# Altium PCB FMC_DAC_125M_14B_16CHA.PcbDoc (part 3 of 9) (continued)
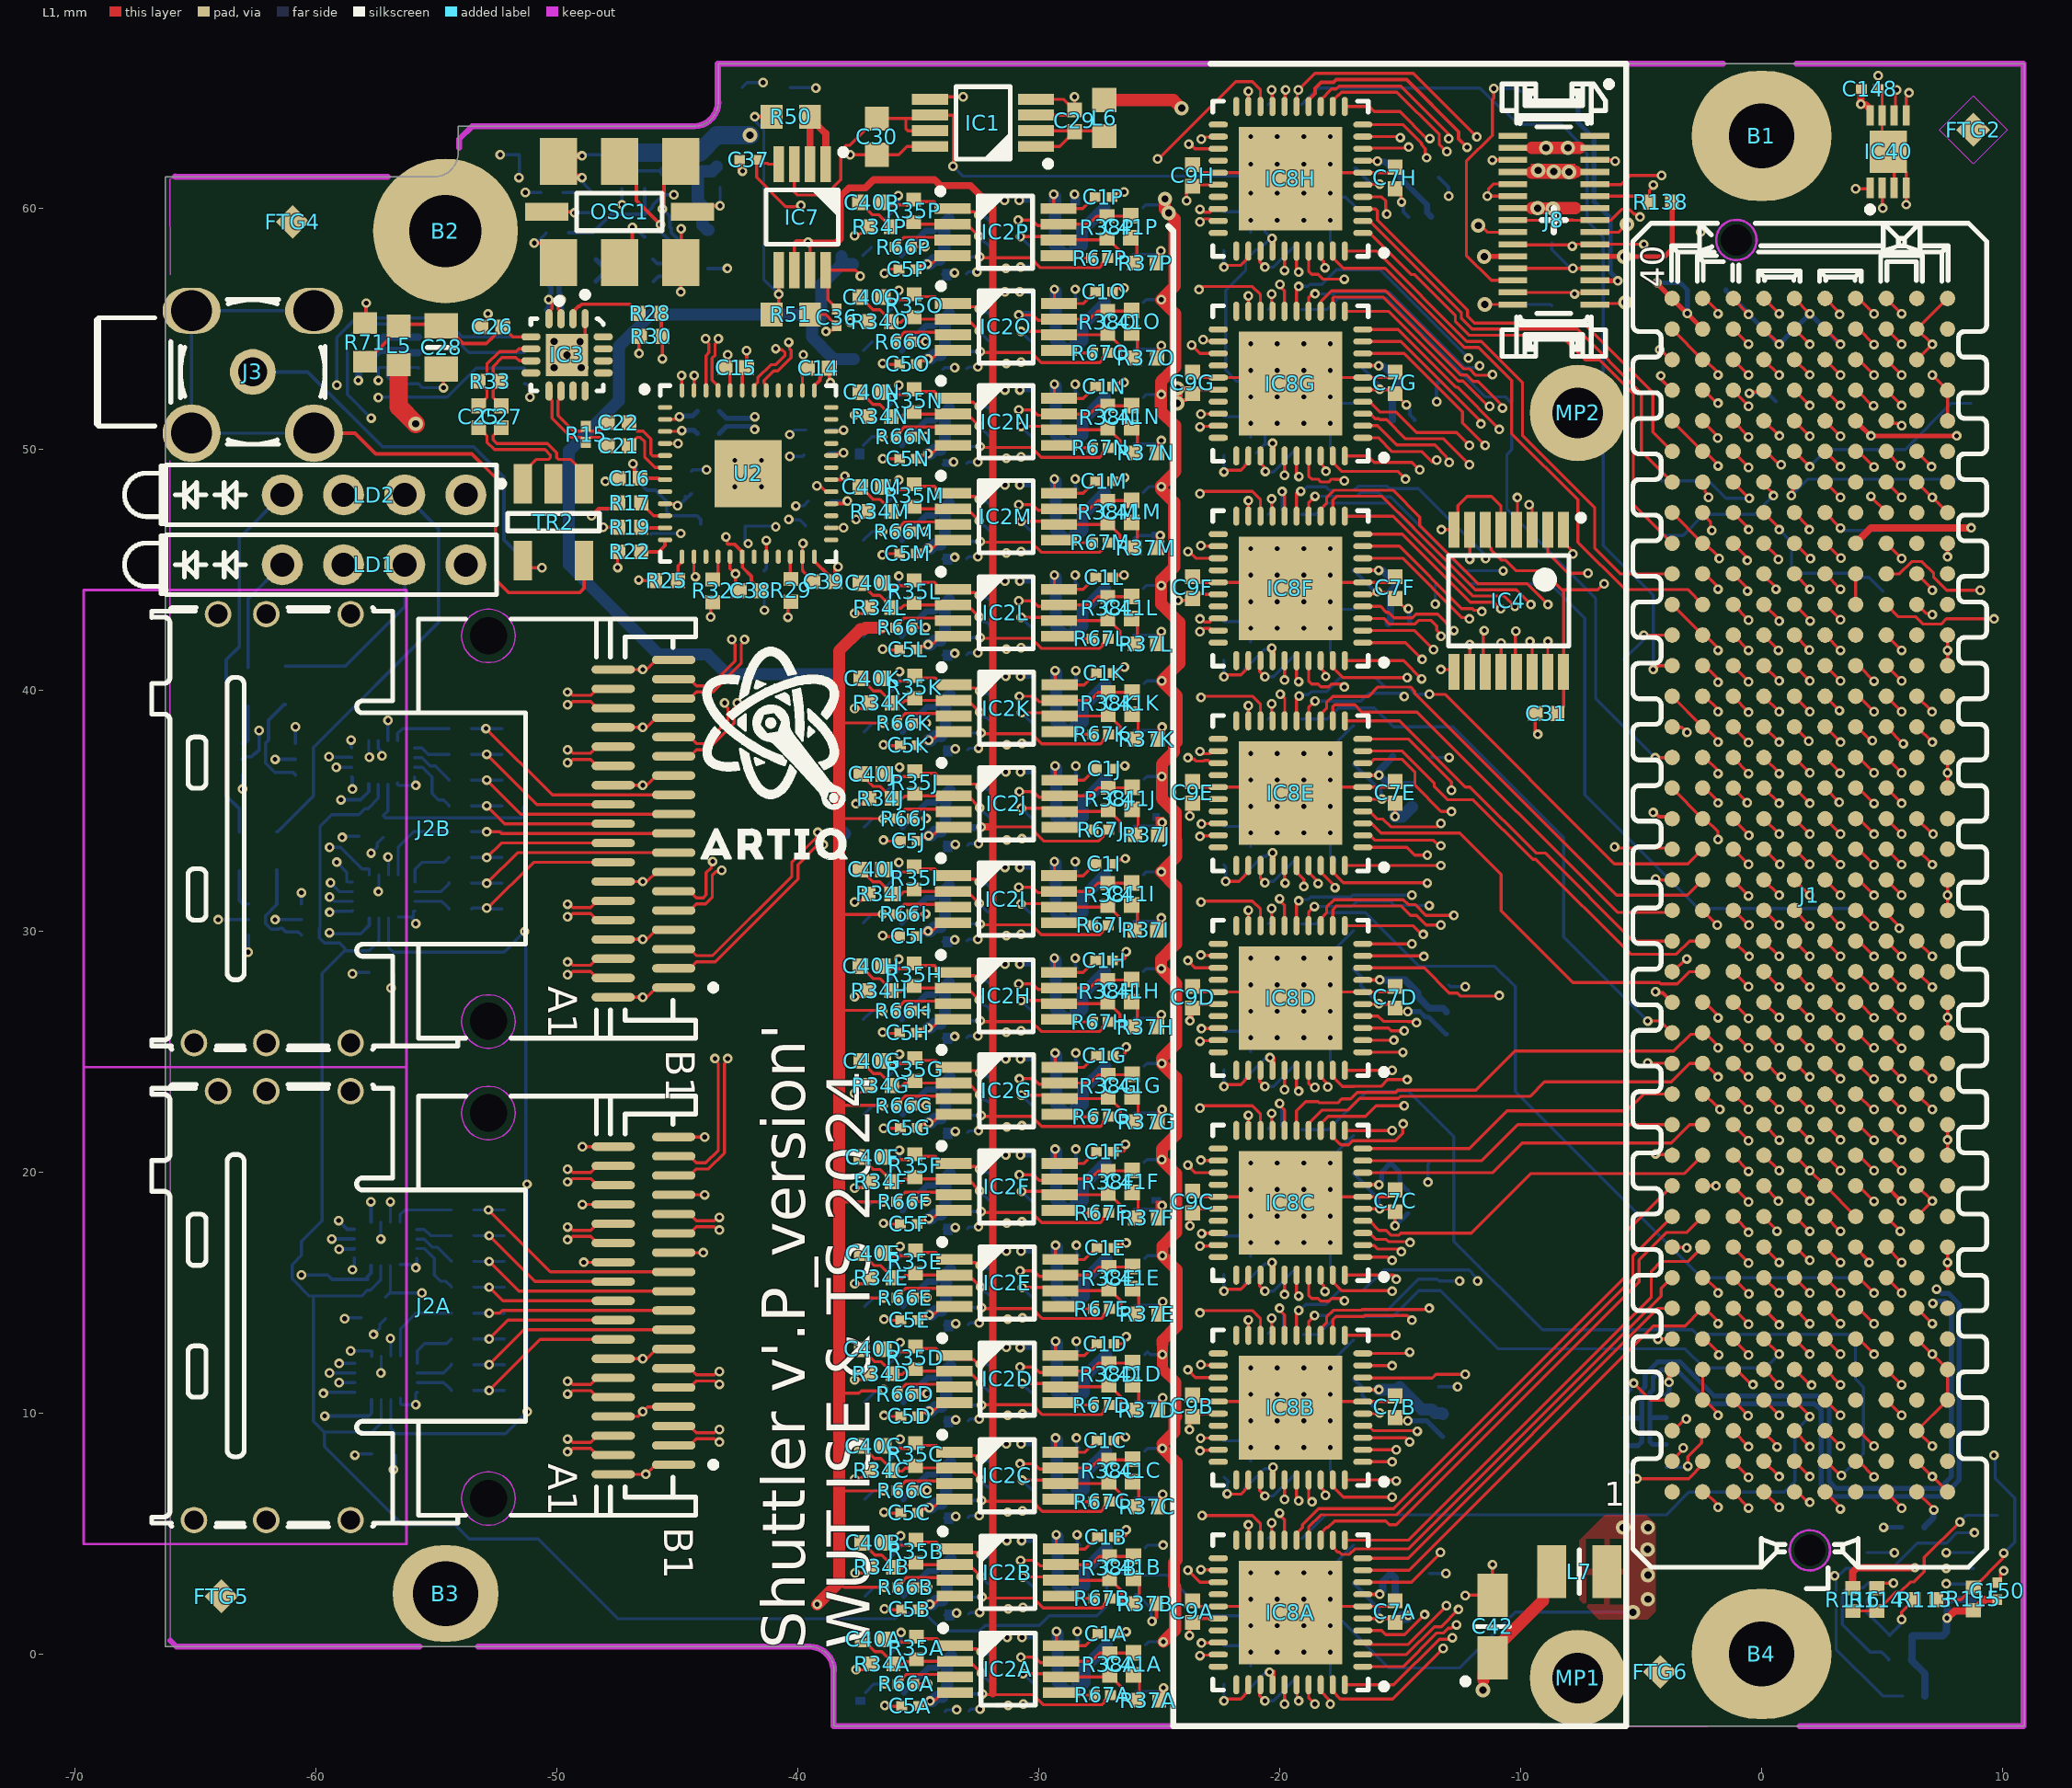
[diagram p0: L1 view]
## Nets (pads, with @x,y where several pads share a name; then routed paths per layer and width w, separated by ;. In a path a pad name is that pad's centre, name@x,y a point inside that pad or via, vN(x,y) a via of type N, cw(c..) or ccw(c..) an arc to the next point about the centre after c; other vN are vias at no path point) (continued)
  L8 w0.127: v1(-58.547,37.928) -58.547,37.633 IC6B.8@-58.514,37.6
AFE1_CTRL_VADJ_7: IC6B.9 J1.j36 | length 67.1
  L1 w0.127: J1.j36@-2.445,51.176 -2.445,51.16 -1.826,50.541 v1(-1.826,50.464)
  L7 w0.127: v1(-57.787,37.216) -57.787,37.168 -57.501,36.881 -55.874,36.881 -55.842,36.913 -51.397,36.913 -50.354,37.957 -47.282,37.957 -46.918,37.592 -42.69,37.592 -40.291,39.991 -40.291,41.452 -37.457,44.286 -37.457,46.512 -36.691,47.278 -35.104,47.278 -33.712,48.67 -32.143,48.67 -31.852,48.962 -30.441,48.962 -29.931,49.471 -23.69,49.471 -23.182,49.979 -21.672,49.979 -20.542,51.109 -20.542,51.255 -20.284,51.513 -16.536,51.513 -16.476,51.453 -14.12,51.453 -14.105,51.468 -11.524,51.468 -11.378,51.321 -10.197,51.321 -9.029,50.153 -2.417,50.153 -2.311,50.259 -2.105,50.259 -1.9,50.464 v1(-1.826,50.464)
  L8 w0.127: IC6B.9@-57.814,37.9 -57.814,37.243 v1(-57.787,37.216)
AFE_REF: C11A.1 C11B.1 C11C.1 C11D.1 C11E.1 C11F.1 C11G.1 C11H.1 C11I.1 C11J.1 C11K.1 C11L.1 C11M.1 C11N.1 C11O.1 C11P.1 IC7.6 IC7.7 R66A.1 R66B.1 R66C.1 R66D.1 R66E.1 R66F.1 R66G.1 R66H.1 R66I.1 R66J.1 R66K.1 R66L.1 R66M.1 R66N.1 R66O.1 R66P.1 R67A.1 R67B.1 R67C.1 R67D.1 R67E.1 R67F.1 R67G.1 R67H.1 R67I.1 R67J.1 R67K.1 R67L.1 R67M.1 R67N.1 R67O.1 R67P.1 | length 224
  L1 w0.127: IC7.6@-40.146,57.43 -40.146,58.578 -40.071,58.653 -39.598,58.653 -39.559,58.614 v1@-39.552,58.607 ; v1(-39.58,58.593) -39.566,58.593 v1@-39.552,58.607 ; IC7.7@-39.496,57.43 -39.496,58.55 v1@-39.552,58.607 ; R66P.1@-35.297,58.39 -35.287,58.4 v3(-34.721,58.4) ; R66H.1@-35.272,26.69 -35.262,26.7 v3(-34.695,26.7) ; R66I.1@-35.272,30.703 -35.262,30.713 v3(-34.695,30.713) ; R66L.1@-35.272,42.591 -35.262,42.601 v3(-34.695,42.601) ; R66M.1@-35.272,46.578 -35.262,46.588 v3(-34.695,46.588) ; R66N.1@-35.272,50.515 -35.262,50.525 v3(-34.695,50.525) ; R66O.1@-35.272,54.453 -35.262,54.463 v3(-34.695,54.463) ; R66F.1@-35.246,18.765 -35.236,18.775 v3(-34.67,18.775) ; R66G.1@-35.246,22.753 -35.236,22.763 v3(-34.67,22.763) ; R66K.1@-35.246,38.628 -35.236,38.638 v3(-34.67,38.638) ; R66J.1@-35.241,34.671 v3(-34.675,34.671) ; R66C.1@-35.221,6.777 -35.211,6.787 v3(-34.645,6.787) ; R66D.1@-35.221,10.79 -35.211,10.8 v3(-34.645,10.8) ; R66E.1@-35.221,14.778 -35.211,14.788 v3(-34.645,14.788) ; R66B.1@-35.196,2.764 -35.186,2.774 v3(-34.619,2.774) ; R66A.1@-35.186,-1.25 -35.176,-1.24 v3(-34.609,-1.24) ; v1(-32.452,57.983) -32.417,57.947 -31.909,57.947 -30.343,57.947 -29.928,57.532 -27.495,57.532 -27.384,57.643 -27.384,57.713 -27.164,57.932 R67P.1@-27.144,57.932 ; v1(-32.427,26.284) -32.391,26.248 -31.909,26.248 -30.318,26.248 -29.902,25.832 -27.47,25.832 -27.358,25.944 -27.358,26.013 -27.139,26.233 R67H.1@-27.119,26.233 ; v1(-32.427,30.297) -32.391,30.261 -31.909,30.261 -30.318,30.261 -29.902,29.846 -27.47,29.846 -27.358,29.957 -27.358,30.027 -27.139,30.246 R67I.1@-27.119,30.246 ; v1(-32.427,42.184) -32.391,42.148 -31.909,42.148 -30.318,42.148 -29.902,41.733 -27.47,41.733 -27.358,41.844 -27.358,41.914 -27.139,42.133 R67L.1@-27.119,42.133 ; v1(-32.427,46.172) -32.391,46.136 -31.909,46.136 -30.318,46.136 -29.902,45.721 -27.47,45.721 -27.358,45.832 -27.358,45.902 -27.139,46.121 R67M.1@-27.119,46.121 ; v1(-32.427,50.109) -32.391,50.073 -31.909,50.073 -30.318,50.073 -29.902,49.658 -27.47,49.658 -27.358,49.769 -27.358,49.839 -27.139,50.058 R67N.1@-27.119,50.058 ; v1(-32.427,54.046) -32.391,54.01 -31.909,54.01 -30.318,54.01 -29.902,53.595 -27.47,53.595 -27.358,53.706 -27.358,53.776 -27.139,53.995 R67O.1@-27.119,53.995 ; v1(-32.401,18.359) -32.366,18.323 -31.909,18.323 -30.292,18.323 -29.877,17.908 -27.444,17.908 -27.333,18.019 -27.333,18.089 -27.113,18.308 R67F.1@-27.093,18.308 ; v1(-32.401,22.347) -32.366,22.311 -31.909,22.311 -30.292,22.311 -29.877,21.895 -27.444,21.895 -27.333,22.007 -27.333,22.076 -27.113,22.296 R67G.1@-27.093,22.296 ; v1(-32.401,38.222) -32.366,38.186 -31.909,38.186 -30.292,38.186 -29.877,37.77 -27.444,37.77 -27.333,37.882 -27.333,37.951 -27.113,38.171 R67K.1@-27.093,38.171 ; v1(-32.376,6.37) -32.34,6.335 -31.909,6.335 -30.267,6.335 -29.851,5.919 -27.419,5.919 -27.307,6.031 -27.307,6.1 -27.088,6.32 R67C.1@-27.068,6.32 ; v1(-32.376,10.327) -32.355,10.348 -31.909,10.348 -30.267,10.348 -29.851,9.932 -27.419,9.932 -27.307,10.044 -27.307,10.113 -27.088,10.333 R67D.1@-27.068,10.333 ; v1(-32.376,14.371) -32.34,14.336 -31.909,14.336 -30.267,14.336 -29.851,13.92 -27.419,13.92 -27.307,14.032 -27.307,14.101 -27.088,14.321 R67E.1@-27.068,14.321 ; v1(-32.351,2.357) -32.315,2.321 -31.909,2.321 -30.242,2.321 -29.826,1.906 -27.393,1.906 -27.282,2.017 -27.282,2.087 -27.062,2.306 R67B.1@-27.042,2.306 ; v1(-32.341,-1.656) -32.305,-1.692 -31.909,-1.692 -30.232,-1.692 -29.816,-2.108 -27.384,-2.108 -27.272,-1.996 -27.272,-1.927 -27.053,-1.707 R67A.1@-27.033,-1.707 ; -31.909,34.326 -30.301,34.326 -30.227,34.252 -30.227,34.158 -29.803,33.734 -27.518,33.734 -27.333,33.92 -27.333,33.989 -27.113,34.209 R67J.1@-27.093,34.209
  L1 w0.3: v1@-39.496,58.55 -38.418,58.55 -38.242,58.726 -38.242,60.481 -37.877,60.846 -37.196,60.846 -36.857,61.184 -34.329,61.184 -34.085,60.94 -32.84,60.94 -31.909,60.008 -31.909,57.947 -31.909,57.327 -31.909,54.097 ; v3(-32.401,34.314) -32.389,34.326 -31.909,34.326 ; -31.909,-1.656 -31.909,2.321 -31.909,6.337 ; -31.909,6.421 -31.909,10.39 ; -31.909,10.434 -31.909,14.336 -31.909,18.323 -31.909,22.311 -31.909,26.248 -31.909,30.261 -31.909,34.326 ; -31.909,54.009 -31.909,50.073 -31.909,46.136 -31.909,42.148 -31.909,38.186 -31.909,34.326
  L3 w0.127: v3(-34.721,58.4) -34.721,58.331 -34.373,57.983 v1(-32.452,57.983) ; v3(-34.695,26.7) -34.695,26.632 -34.347,26.284 v1(-32.427,26.284) ; v3(-34.695,30.713) -34.695,30.645 -34.347,30.297 v1(-32.427,30.297) ; v3(-34.695,42.601) -34.695,42.532 -34.347,42.184 v1(-32.427,42.184) ; v3(-34.695,46.588) -34.695,46.52 -34.347,46.172 v1(-32.427,46.172) ; v3(-34.695,50.525) -34.695,50.457 -34.347,50.109 v1(-32.427,50.109) ; v3(-34.695,54.463) -34.695,54.394 -34.347,54.046 v1(-32.427,54.046) ; v3(-34.675,34.671) -32.758,34.671 v3(-32.401,34.314) ; v3(-34.67,18.775) -34.67,18.707 -34.322,18.359 v1(-32.401,18.359) ; v3(-34.67,22.763) -34.67,22.695 -34.322,22.347 v1(-32.401,22.347) ; v3(-34.67,38.638) -34.67,38.57 -34.322,38.222 v1(-32.401,38.222) ; v3(-34.645,6.787) -34.645,6.719 -34.296,6.37 v1(-32.376,6.37) ; v3(-34.645,10.8) -34.645,10.746 -34.226,10.327 v1(-32.376,10.327) ; v3(-34.645,14.788) -34.645,14.72 -34.296,14.371 v1(-32.376,14.371) ; v3(-34.619,2.774) -34.619,2.705 -34.271,2.357 v1(-32.351,2.357) ; v3(-34.609,-1.24) -34.609,-1.308 -34.261,-1.656 v1(-32.341,-1.656)
  L8 w0.127: C11P.1@-33.011,57.978 -33.005,57.983 v1(-32.452,57.983) ; C11H.1@-32.986,26.278 -32.98,26.284 v1(-32.427,26.284) ; C11I.1@-32.986,30.291 -32.98,30.297 v1(-32.427,30.297) ; C11L.1@-32.986,42.179 -32.98,42.184 v1(-32.427,42.184) ; C11M.1@-32.986,46.166 -32.98,46.172 v1(-32.427,46.172) ; C11N.1@-32.986,50.103 -32.98,50.109 v1(-32.427,50.109) ; C11O.1@-32.986,54.041 -32.98,54.046 v1(-32.427,54.046) ; C11F.1@-32.96,18.353 -32.955,18.359 v1(-32.401,18.359) ; C11G.1@-32.96,22.341 -32.955,22.347 v1(-32.401,22.347) ; C11K.1@-32.96,38.216 -32.955,38.222 v1(-32.401,38.222) ; C11C.1@-32.935,6.365 -32.929,6.37 v1(-32.376,6.37) ; C11D.1@-32.935,10.378 -32.884,10.327 v1(-32.376,10.327) ; C11E.1@-32.935,14.366 -32.929,14.371 v1(-32.376,14.371) ; C11B.1@-32.909,2.352 -32.904,2.357 v1(-32.351,2.357) ; C11A.1@-32.9,-1.662 -32.894,-1.656 v1(-32.341,-1.656)
  L8 w0.3: C11J.1@-32.96,34.254 -32.919,34.295 -32.421,34.295 v3(-32.401,34.314)
AOUT0A_N: J2A.A3 R36A.2 | length 27.3
  L1 w0.127: v1(-49.562,8.918) -49.488,8.918 -49.352,8.781 -48.603,8.781 -48.33,9.054 J2A.A3@-47.665,9.054
  L3 w0.102: v1(-49.562,8.918) -49.49,8.918 -49.354,8.781 -49.105,8.781 -48.602,8.279 -48.602,4.673 -46.84,2.911 -38.46,2.911 -37.47,1.92 -36.963,1.413 -36.237,1.413 -36.072,1.578 -35.316,1.578 -35.042,1.304 -34.628,0.89 -32.195,0.89 -31.552,0.247 -31.261,0.247 -31.136,0.371 -31.136,0.481 -31.315,0.66 v1(-31.315,0.69)
  L8 w0.203: R36A.2@-31.843,0.704 -31.836,0.697 -31.322,0.697 v1(-31.315,0.69)
AOUT0A_P: J2A.A2 R39A.2 | length 27.7
  L1 w0.127: v1(-49.562,8.391) -49.488,8.391 -49.352,8.527 -48.603,8.527 -48.33,8.254 J2A.A2@-47.665,8.254
  L3 w0.102: v1(-49.562,8.391) -49.49,8.391 -49.354,8.527 -49.21,8.527 -48.856,8.174 -48.856,4.568 -48.782,4.494 -46.945,2.657 -38.565,2.657 -37.829,1.92 -37.649,1.741 -37.142,1.234 -37.068,1.159 -36.132,1.159 -35.967,1.324 -35.421,1.324 -34.733,0.636 -32.3,0.636 -31.657,-0.007 -31.155,-0.007 -30.882,0.266 -30.882,0.481 -30.703,0.66 v1(-30.703,0.69)
  L8 w0.203: v1(-30.703,0.69) -30.696,0.697 -30.187,0.697 R39A.2@-30.18,0.69
AOUT0B_N: J2B.A3 R36I.2 | length 23.3
  L1 w0.127: v1(-49.562,28.718) -49.488,28.718 -49.352,28.581 -48.602,28.581 -48.329,28.854 J2B.A3@-47.665,28.854
  L3 w0.102: v1(-49.562,28.718) -49.49,28.718 -49.353,28.581 -42.97,28.581 -39.354,32.197 -34.934,32.197 -34.45,32.681 -32.175,32.681 -32.026,32.533 -31.691,32.197 -31.349,32.197 -31.222,32.325 -31.222,32.435 -31.401,32.614 v1(-31.401,32.643)
  L8 w0.203: R36I.2@-31.929,32.657 -31.915,32.643 v1(-31.401,32.643)
AOUT0B_P: J2B.A2 R39I.2 | length 23.8
  L1 w0.127: v1(-49.562,28.191) -49.488,28.191 -49.352,28.327 -48.602,28.327 -48.329,28.054 J2B.A2@-47.665,28.054
  L3 w0.102: v1(-49.562,28.191) -49.49,28.191 -49.353,28.327 -42.865,28.327 -39.249,31.943 -34.829,31.943 -34.345,32.427 -32.28,32.427 -31.796,31.943 -31.244,31.943 -30.968,32.219 -30.968,32.435 -30.789,32.614 v1(-30.789,32.643)
  L8 w0.203: v1(-30.789,32.643) -30.266,32.643 R39I.2@-30.252,32.657
AOUT1A_N: J2A.B3 R36B.2 | length 19.5
  L1 w0.127: J2A.B3@-45.155,9.454 -44.49,9.454 -44.217,9.181 -43.468,9.181 -43.332,9.318 v1(-43.258,9.318)
  L3 w0.102: v1(-43.258,9.318) -43.186,9.318 -43.049,9.181 -42.764,9.181 -42.376,8.792 -42.376,7.972 -42.376,5.544 -41.25,4.419 -33.417,4.419 -33.038,4.797 -32.187,4.797 -31.671,4.282 -31.249,4.282 -31.146,4.385 -31.146,4.495 -31.325,4.674 v1(-31.325,4.704)
  L8 w0.203: R36B.2@-31.853,4.717 -31.839,4.704 v1(-31.325,4.704)
AOUT1A_P: J2A.B2 R39B.2 | length 19.9
  L1 w0.127: J2A.B2@-45.155,8.654 -44.49,8.654 -44.217,8.927 -43.468,8.927 -43.332,8.791 v1(-43.258,8.791)
  L3 w0.102: v1(-43.258,8.791) -43.186,8.791 -43.049,8.927 -42.87,8.927 -42.63,8.687 -42.63,5.439 -41.355,4.165 -33.312,4.165 -32.933,4.543 -32.292,4.543 -31.776,4.028 -31.144,4.028 -30.892,4.28 -30.892,4.495 -30.713,4.674 v1(-30.713,4.704)
  L8 w0.203: v1(-30.713,4.704) -30.19,4.704 R39B.2@-30.176,4.717
AOUT1B_N: J2B.B3 R36J.2 | length 19.5
  L1 w0.127: J2B.B3@-45.155,29.254 -44.49,29.254 -44.217,28.981 -43.536,28.981 -40.251,32.266 -40.251,32.861 -39.221,33.891 -39.221,34.045 v1(-39.169,34.098)
  L3 w0.102: v1(-39.169,34.098) -38.783,34.098 -38.33,34.55 -38.33,35.643 -37.678,36.296 -35.001,36.296 -34.802,36.495 -34.653,36.644 -32.15,36.644 -32.001,36.495 -31.665,36.16 -31.324,36.16 -31.197,36.287 -31.197,36.397 -31.376,36.576 v1(-31.376,36.606)
  L8 w0.203: R36J.2@-31.904,36.619 -31.89,36.606 v1(-31.376,36.606)
AOUT1B_P: J2B.B2 R39J.2 | length 19.9
  L1 w0.127: J2B.B2@-45.155,28.454 -44.49,28.454 -44.217,28.727 -43.431,28.727 -39.997,32.161 -39.997,32.756 -39.203,33.55 -38.971,33.55 v1(-38.938,33.583)
  L3 w0.102: v1(-38.938,33.583) -38.881,33.64 -38.881,33.747 -38.784,33.844 -38.677,33.844 -38.076,34.445 -38.076,35.538 -37.573,36.042 -34.896,36.042 -34.548,36.39 -32.255,36.39 -31.771,35.906 -31.219,35.906 -30.943,36.182 -30.943,36.397 -30.764,36.576 v1(-30.764,36.606)
  L8 w0.203: v1(-30.764,36.606) -30.24,36.606 R39J.2@-30.227,36.619
AOUT2A_N: J2A.A6 R36C.2 | length 22.9
  L1 w0.127: v1(-49.562,11.318) -49.488,11.318 -49.352,11.181 -48.603,11.181 -48.33,11.454 J2A.A6@-47.665,11.454
  L3 w0.102: v1(-49.562,11.318) -49.49,11.318 -49.354,11.181 -44.985,11.181 -44.045,10.241 -38.689,10.241 -36.879,8.431 -33.201,8.431 -33.026,8.606 -32.877,8.755 -32.042,8.755 -31.726,8.438 -31.626,8.339 -31.231,8.339 -31.171,8.398 -31.171,8.508 -31.35,8.687 v1(-31.35,8.717)
  L8 w0.203: R36C.2@-31.878,8.73 -31.864,8.717 v1(-31.35,8.717)
AOUT2A_P: J2A.A5 R39C.2 | length 23.3
  L1 w0.127: v1(-49.562,10.791) -49.488,10.791 -49.352,10.927 -48.603,10.927 -48.33,10.654 J2A.A5@-47.665,10.654
  L3 w0.102: v1(-49.562,10.791) -49.49,10.791 -49.354,10.927 -45.09,10.927 -44.668,10.505 -44.15,9.987 -38.795,9.987 -36.985,8.177 -33.096,8.177 -32.772,8.501 -32.148,8.501 -32.085,8.438 -31.905,8.258 -31.731,8.085 -31.125,8.085 -30.917,8.293 -30.917,8.508 -30.738,8.687 v1(-30.738,8.717)
  L8 w0.203: v1(-30.738,8.717) -30.215,8.717 R39C.2@-30.201,8.73
AOUT2B_N: J2B.A6 R36K.2 | length 26.7
  L1 w0.127: v1(-49.562,31.118) -49.488,31.118 -49.352,30.981 -48.602,30.981 -48.329,31.254 J2B.A6@-47.665,31.254
  L3 w0.102: v1(-49.562,31.118) -49.49,31.118 -49.353,30.981 -43.472,30.981 -40.688,33.766 -40.688,35.583 -36.061,40.21 -34.934,40.21 -34.538,40.606 -32.15,40.606 -32.001,40.457 -31.665,40.122 -31.324,40.122 -31.197,40.249 -31.197,40.359 -31.376,40.538 v1(-31.376,40.568)
  L8 w0.203: R36K.2@-31.904,40.582 -31.89,40.568 v1(-31.376,40.568)
AOUT2B_P: J2B.A5 R39K.2 | length 27.1
  L1 w0.127: v1(-49.562,30.591) -49.488,30.591 -49.352,30.727 -48.602,30.727 -48.329,30.454 J2B.A5@-47.665,30.454
  L3 w0.102: v1(-49.562,30.591) -49.49,30.591 -49.353,30.727 -43.367,30.727 -40.434,33.66 -40.434,35.478 -35.955,39.956 -34.829,39.956 -34.433,40.352 -32.255,40.352 -31.771,39.868 -31.219,39.868 -30.943,40.144 -30.943,40.359 -30.764,40.538 v1(-30.764,40.568)
  L8 w0.203: v1(-30.764,40.568) -30.24,40.568 R39K.2@-30.227,40.582
AOUT3A_N: J2A.B6 R36D.2 | length 15.8
  L1 w0.127: J2A.B6@-45.155,11.854 -44.49,11.854 -44.217,11.581 -43.468,11.581 -43.332,11.718 v1(-43.258,11.718)
  L3 w0.102: v1(-43.258,11.718) -43.186,11.718 -43.049,11.581 -42.44,11.581 -41.698,12.324 -41.549,12.472 -33.013,12.472 -32.824,12.661 -32.097,12.661 -31.948,12.513 -31.711,12.275 -31.307,12.275 -31.194,12.389 -31.194,12.521 -31.35,12.678 v1(-31.35,12.73)
  L8 w0.203: R36D.2@-31.878,12.744 -31.864,12.73 v1(-31.35,12.73)
AOUT3A_P: J2A.B5 R39D.2 | length 16.2
  L1 w0.127: J2A.B5@-45.155,11.054 -44.49,11.054 -44.217,11.327 -43.468,11.327 -43.332,11.191 v1(-43.258,11.191)
  L3 w0.102: v1(-43.258,11.191) -43.186,11.191 -43.049,11.327 -42.335,11.327 -41.444,12.218 -32.908,12.218 -32.719,12.407 -32.202,12.407 -31.816,12.021 -31.202,12.021 -30.94,12.284 -30.94,12.51 -30.778,12.671 v1(-30.778,12.719)
  L8 w0.203: v1(-30.778,12.719) -30.226,12.719 R39D.2@-30.201,12.744
AOUT3B_N: J2B.B6 R36L.2 | length 22.9
  L1 w0.127: J2B.B6@-45.155,31.654 -44.49,31.654 -44.217,31.381 -43.93,31.381 -43.81,31.501 -43.81,32.425 -43.59,32.645 -43.59,32.838 v1(-43.538,32.89)
  L3 w0.102: v1(-43.538,32.89) -43.487,32.941 -43.294,32.941 -41.952,34.284 -41.952,36.176 -41.803,36.325 -37.873,40.255 -37.724,40.404 -37.177,40.404 -35.658,41.923 -35.658,42.738 -33.827,44.569 -32.175,44.569 -32.026,44.42 -31.691,44.084 -31.349,44.084 -31.222,44.212 -31.222,44.322 -31.401,44.501 v1(-31.401,44.531)
  L8 w0.203: R36L.2@-31.929,44.544 -31.915,44.531 v1(-31.401,44.531)
AOUT3B_P: J2B.B5 R39L.2 | length 23.4
  L1 w0.127: J2B.B5@-45.155,30.854 -44.49,30.854 -44.217,31.127 -43.825,31.127 -43.556,31.396 -43.556,32.32 -43.411,32.466 -43.218,32.466 v1(-43.165,32.518)
  L3 w0.102: v1(-43.165,32.518) -43.114,32.569 -43.114,32.762 -41.698,34.178 -41.698,36.071 -37.619,40.15 -37.071,40.15 -35.404,41.818 -35.404,42.632 -33.722,44.315 -32.28,44.315 -31.796,43.83 -31.244,43.83 -30.968,44.107 -30.968,44.322 -30.789,44.501 v1(-30.789,44.531)
  L8 w0.203: v1(-30.789,44.531) -30.266,44.531 R39L.2@-30.252,44.544
AOUT4A_N: J2A.A14 R36E.2 | length 22.5
  L1 w0.127: v1(-49.562,17.718) -49.488,17.718 -49.352,17.581 -48.603,17.581 -48.33,17.854 J2A.A14@-47.665,17.854
  L3 w0.102: v1(-49.562,17.718) -49.49,17.718 -49.354,17.581 -48.912,17.581 -47.488,16.158 -34.499,16.158 -34.05,16.607 -33.901,16.756 -32.124,16.756 -31.975,16.607 -31.64,16.272 -31.299,16.272 -31.171,16.399 -31.171,16.509 -31.35,16.688 v1(-31.35,16.718)
  L8 w0.203: R36E.2@-31.878,16.731 -31.864,16.718 v1(-31.35,16.718)
AOUT4A_P: J2A.A13 R39E.2 | length 23
  L1 w0.127: v1(-49.562,17.191) -49.488,17.191 -49.352,17.327 -48.603,17.327 -48.33,17.054 J2A.A13@-47.665,17.054
  L3 w0.102: v1(-49.562,17.191) -49.49,17.191 -49.354,17.327 -49.017,17.327 -47.593,15.904 -34.394,15.904 -33.796,16.502 -32.229,16.502 -31.745,16.018 -31.193,16.018 -30.917,16.294 -30.917,16.509 -30.738,16.688 v1(-30.738,16.718)
  L8 w0.203: v1(-30.738,16.718) -30.215,16.718 R39E.2@-30.201,16.731
AOUT4B_N: J2B.A14 R36M.2 | length 27.9
  L1 w0.127: v1(-49.562,37.518) -49.488,37.518 -49.352,37.381 -48.602,37.381 -48.329,37.654 J2B.A14@-47.665,37.654
  L3 w0.102: v1(-49.562,37.518) -49.49,37.518 -49.353,37.381 -42.765,37.381 -36.788,43.358 -36.639,43.507 -36.309,43.507 -35.347,44.468 -35.347,47.25 -35.273,47.324 -35.178,47.419 -34.19,48.408 -34.041,48.556 -32.175,48.556 -32.026,48.408 -31.691,48.072 -31.349,48.072 -31.222,48.2 -31.222,48.31 -31.401,48.489 v1(-31.401,48.518)
  L8 w0.203: R36M.2@-31.929,48.532 -31.915,48.518 v1(-31.401,48.518)
AOUT4B_P: J2B.A13 R39M.2 | length 28.3
  L1 w0.127: v1(-49.562,36.991) -49.488,36.991 -49.352,37.127 -48.602,37.127 -48.329,36.854 J2B.A13@-47.665,36.854
  L3 w0.102: v1(-49.562,36.991) -49.49,36.991 -49.353,37.127 -42.659,37.127 -36.534,43.253 -36.204,43.253 -35.093,44.363 -35.093,47.145 -33.936,48.302 -33.616,48.302 -32.28,48.302 -31.796,47.818 -31.244,47.818 -30.968,48.094 -30.968,48.31 -30.789,48.489 v1(-30.789,48.518)
  L8 w0.203: v1(-30.789,48.518) -30.266,48.518 R39M.2@-30.252,48.532
AOUT5A_N: J2A.B14 R36F.2 | length 16.6
  L1 w0.127: J2A.B14@-45.155,18.254 -44.49,18.254 -44.217,17.981 -43.468,17.981 -43.332,18.118 v1(-43.258,18.118)
  L3 w0.102: v1(-43.258,18.118) -43.186,18.118 -43.049,17.981 -41.446,17.981 -39.432,19.995 -39.283,20.144 -35.409,20.144 -34.809,20.743 -32.15,20.743 ; -32.075,20.669 -32.15,20.743 ; v1(-31.376,20.705) -31.376,20.676 -31.197,20.497 -31.197,20.387 -31.324,20.259 -31.665,20.259 -32.001,20.595 -32.15,20.743
  L8 w0.203: R36F.2@-31.904,20.719 -31.89,20.705 v1(-31.376,20.705)
AOUT5A_P: J2A.B13 R39F.2 | length 16.9
  L1 w0.127: J2A.B13@-45.155,17.454 -44.49,17.454 -44.217,17.727 -43.468,17.727 -43.332,17.591 v1(-43.258,17.591)
  L3 w0.102: v1(-43.258,17.591) -43.186,17.591 -43.049,17.727 -41.341,17.727 -39.178,19.89 -35.304,19.89 -34.704,20.489 -32.255,20.489 -31.771,20.005 -31.219,20.005 -30.943,20.281 -30.943,20.497 -30.764,20.676 v1(-30.764,20.705)
  L8 w0.203: v1(-30.764,20.705) -30.24,20.705 R39F.2@-30.227,20.719
AOUT5B_N: J2B.B14 R36N.2 | length 25.5
  L1 w0.127: J2B.B14@-45.155,38.054 -44.49,38.054 -44.217,37.781 -43.855,37.781 -42.906,38.73 -42.906,39.256 -43.042,39.393 v1(-43.042,39.467)
  L3 w0.102: v1(-43.042,39.467) -43.042,39.539 -42.906,39.675 -42.906,39.945 -42.641,40.21 -41.205,40.21 -38.677,42.738 -38.677,43.048 -37.224,44.502 -37.011,44.502 -36.073,45.44 -36.073,47.872 -35.347,48.597 -35.347,51.588 -34.442,52.493 -32.175,52.493 -32.026,52.345 -31.691,52.009 -31.349,52.009 -31.222,52.137 -31.222,52.247 -31.401,52.426 v1(-31.401,52.455)
  L8 w0.203: R36N.2@-31.929,52.469 -31.915,52.455 v1(-31.401,52.455)
AOUT5B_P: J2B.B13 R39N.2 | length 25.9
  L1 w0.127: J2B.B13@-45.155,37.254 -44.49,37.254 -44.217,37.527 -43.75,37.527 -42.652,38.625 -42.652,39.256 -42.515,39.393 v1(-42.515,39.467)
  L3 w0.102: v1(-42.515,39.467) -42.515,39.539 -42.652,39.675 -42.652,39.84 -42.535,39.956 -41.099,39.956 -38.423,42.632 -38.423,42.943 -37.118,44.248 -36.906,44.248 -35.819,45.335 -35.819,47.767 -35.093,48.492 -35.093,51.483 -34.337,52.239 -32.28,52.239 -31.796,51.755 -31.244,51.755 -30.968,52.031 -30.968,52.247 -30.789,52.426 v1(-30.789,52.455)
  L8 w0.203: v1(-30.789,52.455) -30.266,52.455 R39N.2@-30.252,52.469
AOUT6A_N: J2A.A17 R36G.2 | length 23.6
  L1 w0.127: v1(-49.562,20.118) -49.488,20.118 -49.352,19.981 -48.603,19.981 -48.33,20.254 J2A.A17@-47.665,20.254
  L3 w0.102: v1(-49.562,20.118) -49.49,20.118 -49.354,19.981 -42.493,19.981 -38.435,24.039 -35.277,24.039 -34.585,24.731 -32.15,24.731 -32.001,24.582 -31.665,24.247 -31.324,24.247 -31.197,24.374 -31.197,24.484 -31.376,24.663 v1(-31.376,24.693)
  L8 w0.203: R36G.2@-31.904,24.707 -31.89,24.693 v1(-31.376,24.693)
AOUT6A_P: J2A.A16 R39G.2 | length 24.1
  L1 w0.127: v1(-49.562,19.591) -49.488,19.591 -49.352,19.727 -48.603,19.727 -48.33,19.454 J2A.A16@-47.665,19.454
  L3 w0.102: v1(-49.562,19.591) -49.49,19.591 -49.354,19.727 -42.388,19.727 -38.33,23.785 -35.171,23.785 -34.48,24.477 -32.255,24.477 -31.771,23.993 -31.219,23.993 -30.943,24.269 -30.943,24.484 -30.764,24.663 v1(-30.764,24.693)
  L8 w0.203: v1(-30.764,24.693) -30.24,24.693 R39G.2@-30.227,24.707
AOUT6B_N: J2B.A17 R36O.2 | length 33.1
  L1 w0.127: v1(-49.562,39.918) -49.488,39.918 -49.352,39.781 -48.602,39.781 -48.329,40.054 J2B.A17@-47.665,40.054
  L3 w0.102: v1(-49.562,39.918) -49.49,39.918 -49.353,39.781 -45.655,39.781 -44.232,41.204 -41.704,41.204 -37.206,45.703 -37.206,52.233 -35.832,53.606 -35.832,54.72 -33.979,56.574 -32.175,56.574 -32.026,56.425 -31.691,56.09 -31.349,56.09 -31.222,56.217 -31.222,56.327 -31.401,56.506 v1(-31.401,56.536)
  L8 w0.203: R36O.2@-31.929,56.406 -31.8,56.536 v1(-31.401,56.536)
AOUT6B_P: J2B.A16 R39O.2 | length 33.6
  L1 w0.127: v1(-49.562,39.391) -49.488,39.391 -49.352,39.527 -48.602,39.527 -48.329,39.254 J2B.A16@-47.665,39.254
  L3 w0.102: v1(-49.562,39.391) -49.49,39.391 -49.353,39.527 -45.55,39.527 -44.126,40.95 -41.599,40.95 -36.952,45.597 -36.952,52.127 -35.578,53.501 -35.578,54.615 -33.873,56.32 -32.28,56.32 -31.796,55.836 -31.244,55.836 -30.968,56.112 -30.968,56.327 -30.789,56.506 v1(-30.789,56.536)
  L8 w0.203: v1(-30.789,56.536) -30.381,56.536 R39O.2@-30.252,56.406
AOUT7A_N: J2A.B17 R36H.2 | length 21.5
  L1 w0.127: J2A.B17@-45.155,20.654 -44.49,20.654 -44.217,20.381 -43.821,20.381 -43.304,20.898 -43.304,23.309 -43.304,24.498 -43.441,24.635 v1(-43.441,24.709)
  L3 w0.102: v1(-43.441,24.709) -43.441,24.781 -43.304,24.917 -43.304,25.515 -40.593,28.226 -34.317,28.226 -34.024,28.519 -33.875,28.668 -32.175,28.668 -32.026,28.519 -31.691,28.184 -31.349,28.184 -31.222,28.311 -31.222,28.421 -31.401,28.6 v1(-31.401,28.63)
  L8 w0.203: R36H.2@-31.929,28.644 -31.915,28.63 v1(-31.401,28.63)
AOUT7A_P: J2A.B16 R39H.2 | length 21.9
  L1 w0.127: J2A.B16@-45.155,19.854 -44.49,19.854 -44.217,20.127 -43.716,20.127 -43.05,20.792 -43.05,24.498 -42.914,24.635 v1(-42.914,24.709)
  L3 w0.102: v1(-42.914,24.709) -42.914,24.781 -43.05,24.917 -43.05,25.41 -40.488,27.972 -34.212,27.972 -33.77,28.414 -32.28,28.414 -31.796,27.93 -31.244,27.93 -30.968,28.206 -30.968,28.421 -30.789,28.6 v1(-30.789,28.63)
  L8 w0.203: v1(-30.789,28.63) -30.266,28.63 R39H.2@-30.252,28.644
AOUT7B_N: J2B.B17 R36P.2 | length 32.1
  L1 w0.127: J2B.B17@-45.155,40.454 -44.49,40.454 -44.217,40.181 -43.639,40.181 -42.606,41.214 -42.606,41.888 -42.742,42.025 v1(-42.742,42.099)
  L3 w0.102: v1(-42.742,42.099) -42.742,42.171 -42.606,42.307 -42.606,43.334 -41.802,44.138 -40.767,44.138 -38.781,46.125 -38.781,49.258 -39.181,49.658 -39.33,49.807 -39.33,54.279 -39.553,54.503 -39.553,56.569 -39.479,56.643 -39.36,56.762 -38.161,57.961 -38.012,58.11 -36.876,58.11 -34.767,60.219 -34.618,60.368 -32.2,60.368 -32.052,60.219 -31.716,59.883 -31.375,59.883 -31.247,60.011 -31.247,60.121 -31.426,60.3 v1(-31.426,60.33)
  L8 w0.203: R36P.2@-31.954,60.343 -31.941,60.33 v1(-31.426,60.33)
AOUT7B_P: J2B.B16 R39P.2 | length 32.6
  L1 w0.127: J2B.B16@-45.155,39.654 -44.49,39.654 -44.217,39.927 -43.533,39.927 -42.352,41.109 -42.352,41.888 -42.215,42.025 v1(-42.215,42.099)
  L3 w0.102: v1(-42.215,42.099) -42.215,42.171 -42.352,42.307 -42.352,43.229 -41.697,43.884 -40.662,43.884 -38.527,46.02 -38.527,49.363 -39.076,49.912 -39.076,54.385 -39.299,54.608 -39.299,56.464 -37.907,57.856 -36.771,57.856 -34.513,60.114 -32.306,60.114 -31.821,59.629 -31.27,59.629 -30.993,59.906 -30.993,60.121 -30.814,60.3 v1(-30.814,60.33)
  L8 w0.203: v1(-30.814,60.33) -30.291,60.33 R39P.2@-30.277,60.343
CK_MCX_N: C27.1 TR2.3 | length 5.6
  L1 w0.127: C27.1@-52.31,50.895 -52.653,50.552 -52.653,50.395 -52.494,50.236 -50.395,50.236 -50.019,49.86 -50.019,49.649 -49.945,49.575 -49.447,49.575 -48.876,49.005 TR2.3@-48.876,48.56
CK_MCX_P: C25.1 TR2.1 | length 5.6
  L1 w0.127: C25.1@-53.25,50.896 -52.907,50.553 -52.907,50.289 -52.599,49.982 -50.5,49.982 -50.273,49.755 -50.273,49.649 -50.348,49.575 -50.846,49.575 -51.416,49.005 TR2.1@-51.416,48.56
CLK0_M2C_N: J1.h5 U2.45 | length 122.2
  L1 w0.127: U2.45@-43.315,52.436 -43.315,52.624 -43.561,52.87 -43.561,53.777 -43.438,53.9 -43.438,54.375 -43.301,54.511 v1(-43.301,54.585) ; J1.h5@-1.175,11.806 -1.057,11.806 -0.43,11.179 v1(-0.361,11.179)
  L5 w0.102: v1(-43.301,54.585) -43.301,54.657 -43.438,54.794 -43.438,55.002 -41.505,56.934 -41.505,59.139 -36.669,63.975 -25.649,63.975 -25.574,64.05 -24.859,64.765 -22.787,64.765 -22.078,64.056 -17.234,64.056 -16.779,64.512 -11.741,64.512 -11.458,64.228 -4.998,64.228 -1.728,60.958 2.957,60.958 3.949,61.95 7.36,61.95 8.505,60.805 8.505,47.727 8.088,47.311 8.014,47.236 8.014,46.276 8.153,46.137 8.153,12.694 7.261,11.803 5.197,11.803 5.048,11.654 4.077,10.683 -0.301,10.683 -0.361,10.743 v1(-0.361,11.179)
CLK0_M2C_P: J1.h4 U2.46 | length 123.4
  L1 w0.127: v1(-43.828,54.585) -43.828,54.511 -43.692,54.375 -43.692,54.005 -43.815,53.882 U2.46@-43.815,52.436 ; J1.h4@-1.175,10.536 -1.175,10.52 -0.558,9.903 v1(-0.558,9.887)
  L5 w0.102: v1(-43.828,54.585) -43.828,54.657 -43.692,54.794 -43.692,55.107 -41.759,57.04 -41.759,59.244 -41.685,59.319 -36.775,64.229 -25.754,64.229 -25.039,64.944 -24.964,65.019 -22.682,65.019 -22.607,64.944 -21.973,64.31 -17.34,64.31 -16.884,64.766 -11.636,64.766 -11.352,64.482 -4.893,64.482 -1.623,61.212 2.852,61.212 3.844,62.204 7.465,62.204 8.759,60.91 8.759,47.622 8.268,47.131 8.268,46.381 8.407,46.242 8.407,12.589 7.366,11.549 5.302,11.549 4.183,10.429 -0.499,10.429 -0.558,10.37 v1(-0.558,9.887)